# Altium PCB PCB1.PcbDoc (part 2 of 2)
Units mil, origin at the board's own origin, x right, y up, seen from the top; angles counter-clockwise.
Board outline 5905.51 x 3937.01 mil, 4 copper layers (Top Layer, Mid-Layer 1, Mid-Layer 2, Bottom Layer); 124 components, 80 nets, 385 pads, 303 vias.
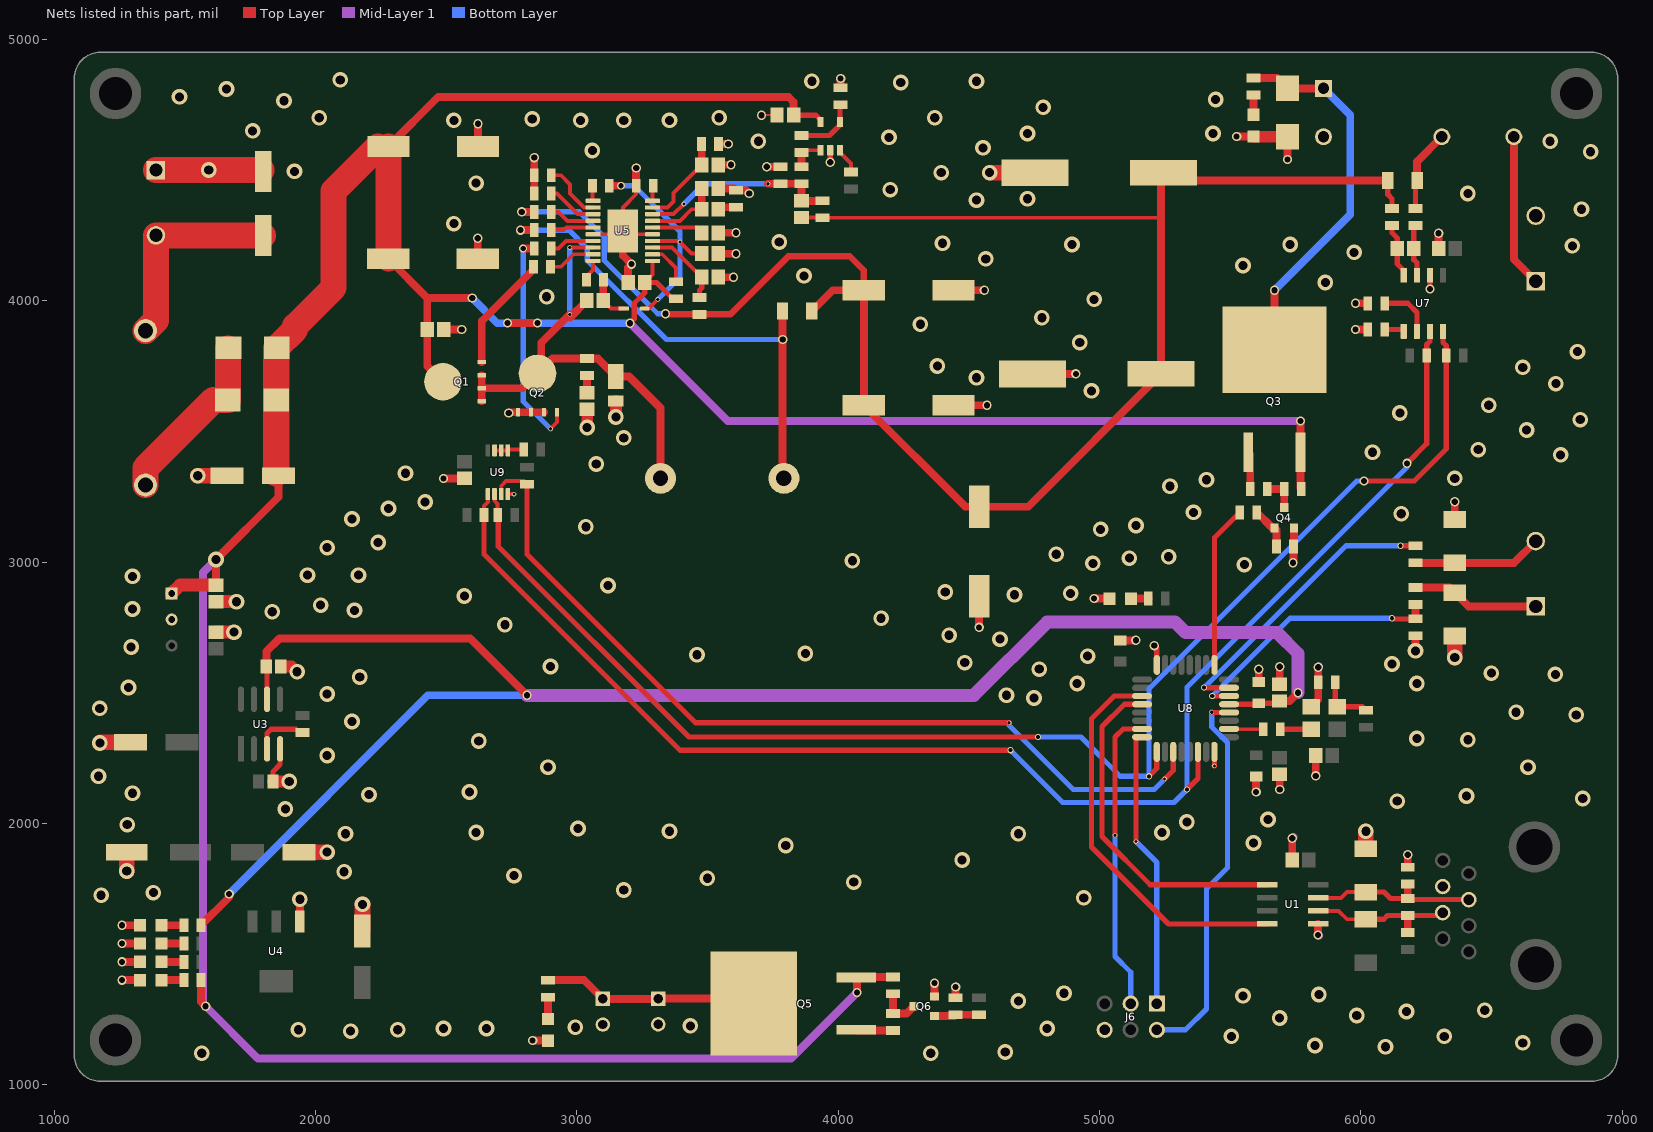
[diagram p4: the nets of this part, all layers, seen from the top]

## Via types
v1: diameter 60, hole 35, Top Layer to Bottom Layer, tented both sides, 199 vias
v2: diameter 35.43, hole 23.62, Top Layer to Bottom Layer, tented both sides, 77 vias
v3: diameter 17.72, hole 11.81, Top Layer to Bottom Layer, tented both sides, 15 vias
v4: diameter 23.62, hole 15.75, Top Layer to Bottom Layer, tented both sides, 10 vias
v5: diameter 30, hole 20, Top Layer to Bottom Layer, tented both sides, 2 vias

## Nets (pads, with @x,y where several pads share a name; then routed paths per layer and width w, separated by ;. In a path a pad name is that pad's centre, name@x,y a point inside that pad or via, vN(x,y) a via of type N, cw(c..) or ccw(c..) an arc to the next point about the centre after c; other vN are vias at no path point) (continued)
GND: C1.2 C2.1 C3.1 C4.1 C5.1 C6.2 C7.2 C8.1 C9.1 C10.1 C11.1 C12.1 C13.1 C14.1 C15.1 C16.1 C17.1 C18.1 C19.1 C20.1 C23.1 C30.1 C32.1 C33.2 C34.2 C35.2 C36.2 C37.2 C38.2 C39.2 D2.1 D6.2 D7.2 D8.2 D9.2 DS1.2 DS2.2 DS3.2 DS4.2 DS5.2 DS6.2 DS7.2 J1.1 J3.2 J4.2 J5.2 J6.6 pad.1@3541.72,4090 pad.1@3541.72,4180 pad.1@3541.72,4260 pad.1@3541.72,4430 pad.1@3541.72,4520 pad.2@1450,2780 pad.2@3970,4575.87 pad.2@5810,2446.61 pad.2@5857.8,4627.48 pad.6 Q2.1 Q2.2 Q2.3 Q4.2 Q6.2 R3.1 R11.1 R17.2 R19.2 R21.2 R23.2 R25.2 R27.2 R33.1 R34.1 R37.2 R42.1 R47.1 R50.1 U1.5 U3.4 U4.1 U5.5 U5.16 U5.21 U7.6 U8.16 U8.32 U9.4 | length 6469
  Top Layer w8: U5.21@3163.62,4254.41 U5.21@3176.42,4267.2 ; R25.2@3587.29,4430 3602.48,4430 R25.2@3610,4422.48 ; v2(3707.31,4710) C30.1@3766.55,4710
  Top Layer w15: U9.4@2736.77,3260 v3(2760,3260) ; U5.16@3062.83,4254.41 U5.21@3163.62,4254.41 ; U5.21@3176.42,4267.2 3176.42,4356.42 3227.52,4407.52 R11.1@3227.52,4440 ; U5.21@3189.21,4254.41 U5.5@3290,4254.41
  Top Layer w20: C8.1@1837.56,2160 1837.56,2197.56 1865,2225 U3.4@1865,2285 ; v2(3970,4530) pad.2@3970,4575.87 ; v2(5210,2680) 5219.76,2670.24 U8.16@5219.76,2606.34 ; v3(5440,2220) 5440.24,2220.24 U8.32@5440.24,2273.66 ; v2(6265,4045) U7.6@6265,4097.28
  Top Layer w30: v1(1175.15,2307.5) v1@1177.65,2310 ; v2(1260,1400) DS1.2@1328.66,1400 ; v2(1260,1470) DS3.2@1328.66,1470 ; v2(1260,1540) DS2.2@1328.66,1540 ; v2(1260,1610) DS7.2@1328.66,1610 ; C2.1@1794.09,4500 C2.1@1800,4494.09 ; U4.1@1940.55,1624.17 v1(1940.55,1709.45) ; v2(2490,3320) C39.2@2570,3320 ; C19.1@2491.72,3890 v2(2560,3890) ; C18.1@2621.26,4160 v2(2621.26,4238.74) ; C17.1@2622.52,4590 v2(2622.52,4677.48) ; v2(2740,3570) 2743.11,3573.11 Q2.1@2775,3573.11 Q2.2@2825,3573.11 Q2.3@2875,3573.11 ; v2(2831.34,1168.66) DS5.2@2890,1168.66 ; R17.2@2837.52,4410 R19.2@2837.52,4480 v2(2837.52,4547.52) ; U5.21@3176.42,4267.2 3176.42,4173.58 v2(3210,4140) 3196.55,4126.55 C20.1@3196.55,4070 ; R11.1@3227.52,4440 v2(3227.52,4507.52) ; pad.1@3541.72,4090 v2(3600,4090) ; pad.1@3541.72,4180 v2(3610,4180) ; pad.1@3541.72,4260 v2(3610,4260) ; pad.1@3541.72,4430 R25.2@3602.48,4430 ; pad.1@3541.72,4520 v2(3590,4520) ; R21.2@3542.48,4600 v2(3580,4600) ; R25.2@3610,4422.48 3647.52,4422.48 v2(3660,4410) ; v2(3727.52,4512.48) R23.2@3780,4512.48 ; R27.2@4010,4814.96 v2(4010,4850) ; Q6.2@4369.37,1337.4 v2(4369.37,1388.58) ; C12.1@4441.26,3600 v2(4570,3600) ; C14.1@4441.26,4040 v2(4560,4040) ; R47.1@4450,1332.48 v2(4450,1374.15) ; v2(4540,2750) C13.1@4540,2868.74 ; C15.1@4743.94,3720 v2(4910,3720) ; v2(4980,2860) DS6.2@5038.66,2860 ; C37.2@5080,2700.35 v2(5139.65,2700.35) ; v2(5525.33,4628.66) DS4.2@5590,4628.66 DS4.2@5591.18,4627.48 ; v2(5600,2120) C36.2@5600,2179.65 ; C34.2@5610,2540.35 v2(5610,2589.77) ; v2(5690,2130) C35.2@5690,2188.28 ; C33.2@5690,2531.72 v2(5690,2599.03) ; v2(5720,4540) D8.2@5720,4627.48 ; C1.2@5738.28,1860 v2(5738.28,1942.97) ; v2(5740.71,2997.28) 5740.71,2998.75 5742.48,3000.52 R42.1@5742.48,3060 5744.8,3062.32 Q4.2@5744.8,3130 ; pad.2@5810,2446.61 5837.52,2474.13 R50.1@5837.52,2540 v2(5837.52,2597.52) ; v2(5828.28,2181.72) C38.2@5828.28,2260 ; v2(5837.05,1572.95) U1.5@5837.05,1615 ; v2(5980,3890) R34.1@6027.52,3890 ; v2(5980,3990) R33.1@6027.52,3990 ; R3.1@6180,1832.48 v2(6180,1880) ; v1(6210,2660) R37.2@6210,2717.52 ; C32.1@6298.28,4200 v2(6298.28,4258.28) ; D7.2@6360,3163.07 v2(6360,3230.59)
  Top Layer w45: C8.1@1837.56,2160 v1(1900,2160) ; C9.1@1867.56,2600 1910,2600 v1(1930,2580) ; v1(3040,3515) C23.1@3040,3584.81 ; v1(3150,3555) D9.2@3150,3616.5 ; DS4.2@5591.18,4627.48 D8.2@5720,4627.48
  Top Layer w50: C7.2@1620,2731.72 v1(1688.28,2731.72) ; C6.2@1620,2848.28 v1(1697.84,2848.28)
  Top Layer w60: v1@1177.65,2310 C5.1@1293.15,2310 ; v1(1277.95,1817.95) C4.1@1277.95,1890 ; v1(1550,3330) C3.1@1661.57,3330 ; C10.1@1936.85,1890 v1(2045,1890) ; C11.1@2180,1588.43 v1(2180,1690) ; v1(4580,4490) C16.1@4753.94,4490 ; D2.1@6020,1903.07 v1(6020,1970) ; v1(6360,2635) D6.2@6360,2716.93
  Top Layer w100: J1.1@1390,4500 C2.1@1794.09,4500
  Mid-Layer 1 w30: v1(1688.28,2731.72) v1@1690,2730 ; v1(1697.84,2848.28) v1@1699.55,2849.99 ; v2@2620,4240 v2(2621.26,4238.74) ; v2@2620,4680 v2(2622.52,4677.48) ; v2@2830,1170 v2(2831.34,1168.66) ; v2(2837.52,4547.52) v2@2840,4550 ; v2@4369.3,1388.65 v2(4369.37,1388.58) ; v2(4450,1374.15) v2@4452.05,1376.2 ; v2(5738.28,1942.97) v2@5742.48,1947.17 ; v2(5828.28,2181.72) v2@5830,2180 ; v2(5837.05,1572.95) v2@5840,1570
  Bottom Layer w8: v2@3720,4520 v2(3727.52,4512.48) ; v2@6260,4040 v2(6265,4045)
  Bottom Layer w30: v2(3227.52,4507.52) v2@3230,4510 ; v2(5139.65,2700.35) v2@5140,2700 ; v2@5523.87,4627.2 v2(5525.33,4628.66) ; v2@5689.83,2599.2 v2(5690,2599.03) ; v2(5837.52,2597.52) v2@5840,2600 ; v2(6298.28,4258.28) v2@6300,4260
  other v1: 1565,1120 4355,1120 4640,1125 6095,1145 5825,1150 6620,1160 5505,1185 6320,1185 2135,1205 1935,1210 2315,1210 2490,1215 2655,1215 4800,1215 2995,1220 3435,1225 5690,1255 5985,1265 6175,1280 6475,1285 4690,1320 5550,1340 5840,1345 4865,1350 4940,1715 1180,1725 1380,1735 3180,1745 4060,1775 3500,1790 2760,1800 2110,1815 4475,1860 3800,1915 5590,1925 2115,1960 4690,1960 2615,1965 5240,1965 3355,1970 3005,1980 1280,1995 5335,2005 5645,2015 1885,2055 6140,2085 6850,2095 6405,2105 2205,2110 1300,2115 2590,2120 1170,2180 2890,2215 6640,2215 2045,2260 2625,2315 6410,2320 6215,2325 2140,2390 6825,2415 6595,2425 1175,2440 4750,2480 4645,2490 2045,2495 1285,2520 4915,2535 6215,2535 2170,2560 6745,2570 6500,2575 4770,2590 2900,2600 6120,2610 4485,2615 4955,2640 3460,2645 3875,2650 1295,2675 4620,2705 4425,2720 2725,2760 4165,2785 1835,2810 2150,2815 1300,2820 2020,2835 2570,2870 4675,2875 4890,2880 4410,2885 3120,2910 1300,2945 1970,2950 2165,2950 5555,2990 4975,2995 4055,3005 5115,3015 5265,3020 4835,3030 2045,3055 2240,3075 5005,3125 3035,3135 5140,3140 2140,3165 6155,3185 5360,3190 2280,3205 2420,3230 5270,3290 5410,3315 6360,3320 2345,3340 3075,3375 6765,3410 6045,3420 6450,3430 3180,3475 6635,3505 6840,3545 6150,3570 6490,3600 4970,3655 6746.98,3682.79 4530,3705 6620,3745 4380,3750 6830,3805 4925,3840 4315,3910 4780,3935 4980,4005 2885,4015 5865,4070 3870,4095 5550,4135 4565,4160 5975,4185 6810,4210 4895,4215 5730,4215 4400,4220 3775,4225 2530,4295 6845,4350 4530,4385 4725,4390 6410,4410 4200,4425 2615,4450 4395,4490 1920,4495 1592.05,4500 6880,4570 3060,4575 4555,4585 3695,4610 6725,4610 4195,4625 4725,4640 5435,4640 1760,4650 2530,4690 3015,4690 3180,4690 3355,4690 2830,4695 2015,4700 3545,4700 4370,4700 4785,4740 1880,4765 5445,4770 1480,4780 1660,4810 4240,4835 3900,4840 4530,4840 2095,4845
GND_Sensing: R35.1 U8.7 | length 1132.4
  Top Layer w8: v4(5400,2520) v4@5401.11,2518.89 ; U8.7@5496.18,2518.89 U8.7@5496.34,2518.74
  Top Layer w20: v4@5401.11,2518.89 U8.7@5496.18,2518.89 ; v4(6152.48,3062.48) R35.1@6210,3062.48
  Bottom Layer w20: v4(5400,2520) 5400.95,2519.05 5944.38,3062.48 v4(6152.48,3062.48)
HSE_Clock: R49.2 U8.2 | length 131.7
  Top Layer w8: U8.2@5496.34,2361.26 U8.2@5497.6,2360
  Top Layer w15: U8.2@5497.6,2360 R49.2@5627.52,2360
LM75_OS: R54.1 U8.27 U9.3 | length 3362.9
  Top Layer w8: R54.1@2797.52,3310 R54.1@2810,3297.52
  Top Layer w15: U9.3@2711.18,3260 2711.18,3291.18 2730,3310 R54.1@2797.52,3310
  Top Layer w20: R54.1@2810,3297.52 2810,3030 3455,2385 v3(4655,2385) ; v3(5250,2170) 5282.76,2202.76 U8.27@5282.76,2273.66
  Bottom Layer w20: v3(4655,2385) 4655,2375 4900,2130 5210,2130 v3(5250,2170)
Main_output: J3.1 pad.4@6586.14,4627.48 | length 587.2
  Top Layer w30: pad.4@6586.14,4627.48 6586.14,4158.86 J3.1@6670,4075
MP9928_OUT: C12.2 C13.2 C14.2 C15.2 C16.2 pad.1@3860,4318.28 R10.2 R14.1 R20.2 R28.1 R29.2 R57.1 | length 7081.3
  Top Layer w8: R20.2@3939.24,4318.28 R20.2@3940,4317.52 ; 5228.54,4317.52 5236.06,4310
  Top Layer w15: pad.1@3860,4318.28 R20.2@3939.24,4318.28 ; R20.2@3940,4317.52 5228.54,4317.52
  Top Layer w20: R28.1@6103.9,4460 6103.9,4406.1 6120,4390 R29.2@6120,4352.48
  Top Layer w25: v2(3340,3950) 3342.48,3947.52 3587.52,3947.52 3810,4170 4045,4170 4098.74,4116.26 C14.2@4098.74,4040
  Top Layer w30: v2(2790,4340) R14.1@2837.52,4340 ; R10.2@3900,3960 3980,4040 C14.2@4098.74,4040 C12.2@4098.74,3600 4487.48,3211.26 C13.2@4540,3211.26 4727.32,3211.26 C15.2@5236.06,3720 5236.06,4310 5236.06,4480 C16.2@5246.06,4490 5276.06,4460 R28.1@6103.9,4460
  Bottom Layer w20: v2(2790,4340) 3010,4340 3105,4245 3105,4155 3255,4005 3310,3950 v2(3340,3950)
Net*_1: D9.1 pad.1@3038.28,4000 pad.1@3320.63,3320 Q1.1 Q1.2 Q1.3 Q2.5 R12.1 U5.18 | length 1891.7
  Top Layer w15: v3(2973.23,4203.23) U5.18@3062.83,4203.23
  Top Layer w30: Q1.1@2636.89,3615 Q1.2@2636.89,3665 ; Q1.3@2636.89,3715 Q1.2@2636.89,3665 ; v3(2973.23,3947.77) 2864.16,3838.71 2864.16,3735.93 Q2.5@2850,3721.76 ; 2974.14,3935.86 pad.1@3038.28,4000 ; pad.1@3320.63,3320 3320.63,3589.37 3200,3710 D9.1@3150,3710 3080.98,3779.02 R12.1@3040,3779.02 2907.25,3779.02 Q2.5@2850,3721.76 ; Q1.2@2636.89,3665 2793.24,3665 Q2.5@2850,3721.76
  Bottom Layer w20: v3(2973.23,3947.77) v3(2973.23,4203.23)
Net*_2: pad.2@3793.07,3320 R10.1 R13.1 | length 1898.7
  Top Layer w8: v2(3788.7,3851.3) v2@3790,3850
  Top Layer w30: v2(2785,4270) R13.1@2837.52,4270 ; v2@3787.8,3850 3787.8,3325.28 pad.2@3793.07,3320 ; v2@3787.8,3851.3 R10.1@3787.8,3960
  Bottom Layer w20: v2(2785,4270) 2970,4270 3040,4200 3040,4155 3343.7,3851.3 v2(3788.7,3851.3)
NetC21_2: D5.1 pad.2@3101.72,4000 R9.1 | length 171.6
  Top Layer w8: R9.1@3101.72,4079.24 R9.1@3102.48,4080
  Top Layer w15: pad.2@3101.72,4000 3131.72,3970 D5.1@3180.62,3970
  Top Layer w30: pad.2@3101.72,4000 R9.1@3101.72,4079.24
NetC23_2: C23.2 R12.2 | length 65.8
  Top Layer w30: C23.2@3040,3648.26 R12.2@3040,3714.06
NetC24_2: pad.2@3478.28,4090 R57.2 U5.3 | length 334.4
  Top Layer w8: pad.2@3460,4090 pad.2@3478.28,4090
  Top Layer w15: U5.3@3290,4203.23 3365.05,4203.23 pad.2@3478.28,4090
  Top Layer w20: R57.2@3470,4012.48 3470,4040 3478.28,4048.28 pad.2@3478.28,4090
NetC25_2: pad.2@3478.28,4260 U5.6 | length 196.6
  Top Layer w8: pad.2@3458.28,4280 pad.2@3478.28,4260
  Top Layer w15: U5.6@3290,4280 pad.2@3458.28,4280
NetC26_2: pad.2@3478.28,4520 R21.1 U5.9 | length 354.8
  Top Layer w8: R21.1@3477.52,4600 R21.1@3478.28,4599.24
  Top Layer w15: U5.9@3290,4356.77 3346.77,4356.77 3370,4380 3370,4411.72 pad.2@3478.28,4520
  Top Layer w30: pad.2@3478.28,4520 R21.1@3478.28,4599.24
NetC27_2: pad.2@3860,4381.72 R20.1 R22.1 R23.1 U5.8 | length 764.3
  Top Layer w8: R20.1@3939.24,4381.72 R20.1@3940,4382.48
  Top Layer w15: U5.8@3290,4331.18 3371.18,4331.18 v3(3410,4370)
  Top Layer w30: v3(3732.48,4447.52) R23.1@3780,4447.52 R22.1@3860,4447.52 pad.2@3860,4381.72 R20.1@3939.24,4381.72
  Bottom Layer w20: v3(3410,4370) 3487.52,4447.52 v3(3732.48,4447.52)
NetC28_1: pad.1@3541.72,4350 R25.1 | length 71.4
  Top Layer w8: pad.1@3541.72,4350 pad.1@3549.24,4357.52
  Top Layer w30: pad.1@3549.24,4357.52 R25.1@3610,4357.52
NetC28_2: pad.2@3478.28,4350 pad.2@3478.28,4430 U5.7 | length 286.7
  Top Layer w15: U5.7@3290,4305.59 3395.59,4305.59 3440,4350 pad.2@3478.28,4350
  Top Layer w30: pad.2@3478.28,4350 pad.2@3478.28,4430
NetC31_1: C31.1 R29.1 U7.8 | length 208.9
  Top Layer w20: R29.1@6120,4287.52 6120,4260 6140,4240 C31.1@6140,4200 6140,4140 6165,4115 U7.8@6165,4097.28
NetC31_2: C31.2 R30.1 U7.7 | length 197.7
  Top Layer w20: R30.1@6210,4287.52 6203.45,4280.97 C31.2@6203.45,4200 6203.45,4156.55 6215,4145 U7.7@6215,4097.28
NetD1_1: D1.1 pad.4@6313.81,1658.16 R1.1 R2.2 U1.6 | length 565.4
  Top Layer w8: pad.4@6303.17,1647.52 pad.4@6313.81,1658.16
  Top Layer w15: U1.6@5837.05,1665 5915,1665 5946.93,1633.07 D1.1@6020,1633.07
  Top Layer w20: D1.1@6020,1633.07 6088.07,1633.07 6102.52,1647.52 R2.2@6180,1647.52 pad.4@6303.17,1647.52
  Top Layer w30: R1.1@6180,1582.48 6180,1633.07 R2.2@6180,1647.52
NetD2_2: D2.2 pad.5@6413.81,1708.16 R2.1 R3.2 U1.7 | length 652.8
  Top Layer w8: R2.1@6180,1712.48 R2.1@6184.32,1708.16
  Top Layer w15: U1.7@5837.05,1715 5925.2,1715 5947.13,1736.93 D2.2@6020,1736.93
  Top Layer w20: D2.2@6020,1736.93 6089.36,1736.93 6113.81,1712.48 R2.1@6180,1712.48 ; R2.1@6184.32,1708.16 pad.5@6413.81,1708.16
  Top Layer w30: R2.1@6180,1712.48 R3.2@6180,1767.52
NetD3_2: D3.2 D4.2 XF1.2 | length 699.3
  Top Layer w30: XF1.2@1350,3294.72 XF1.2@1350,3305.04 ; D3.2@1664.96,3817.48 D3.2@1667.48,3820
  Top Layer w100: XF1.2@1350,3294.72 1350,3360 1610,3620 D4.2@1664.96,3620 D3.2@1664.96,3817.48
NetD6_1: D6.1 J2.1 R36.1 | length 490
  Top Layer w30: R36.1@6210,2902.48 6340.59,2902.48 D6.1@6360,2883.07 6413.07,2830 J2.1@6670,2830
NetD7_1: D7.1 J2.2 R35.2 | length 494.7
  Top Layer w30: R35.2@6210,2997.52 6210.59,2996.93 D7.1@6360,2996.93 6586.93,2996.93 J2.2@6670,3080
NetD8_1: D8.1 pad.1@5857.8,4812.52 Q3.2 R40.2 | length 1447.7
  Top Layer w30: R40.2@5590,4852.48 5680.04,4852.48 D8.1@5720,4812.52 pad.1@5857.8,4812.52 ; Q3.2@5670,3811.57 v2(5670,4040)
  Bottom Layer w30: v2(5670,4040) 5960,4330 5960,4710.31 pad.1@5857.8,4812.52
NetDS1_1: DS1.1 R5.1 | length 86.2
  Top Layer w30: DS1.1@1411.34,1400 R5.1@1497.52,1400
NetDS2_1: DS2.1 R6.1 | length 86.2
  Top Layer w30: DS2.1@1411.34,1540 R6.1@1497.52,1540
NetDS3_1: DS3.1 R7.1 | length 86.2
  Top Layer w30: DS3.1@1411.34,1470 R7.1@1497.52,1470
NetDS4_1: DS4.1 R40.1 | length 76.2
  Top Layer w30: DS4.1@5590,4711.34 R40.1@5590,4787.52
NetDS5_1: DS5.1 R45.1 | length 83.7
  Top Layer w30: DS5.1@2890,1251.34 R45.1@2890,1335.04
NetDS6_1: DS6.1 R55.1 | length 66.2
  Top Layer w30: DS6.1@5121.34,2860 R55.1@5187.52,2860
NetDS7_1: DS7.1 R56.1 | length 86.2
  Top Layer w30: DS7.1@1411.34,1610 R56.1@1497.52,1610
NetJ4_1: J4.1 J5.1 Q5.2 R45.2 | length 826.2
  Top Layer w30: R45.2@2890,1400 3028.43,1400 J5.1@3100,1328.43 3311.02,1328.43 J4.1@3311.81,1329.21 3659.06,1329.21 Q5.2@3678.27,1310
NetQ1_4: Q1.4 R8.1 | length 447.1
  Top Layer w30: Q1.4@2636.89,3765 2636.89,3921.89 2835.04,4120.04 R8.1@2835.04,4130
NetQ2_4: Q2.4 R15.1 | length 849.5
  Top Layer w15: v3(2900,3510) 2925,3535 Q2.4@2925,3573.11
  Top Layer w30: v5(2795,4200) R15.1@2837.52,4200
  Bottom Layer w20: v5(2795,4200) 2795,3615 v3(2900,3510)
NetQ3_1: Q3.1 R39.2 | length 143
  Top Layer w30: Q3.1@5570,3419.84 5577.52,3412.32 R39.2@5577.52,3280
NetQ4_1: Q4.1 R41.2 R42.2 | length 165.5
  Top Layer w30: R41.2@5602.48,3190 5662.48,3130 Q4.1@5670,3130 5677.52,3122.48 R42.2@5677.52,3060
NetQ4_3: Q4.3 R38.1 R39.1 | length 136.3
  Top Layer w30: R39.1@5642.48,3280 R38.1@5707.52,3280 5707.52,3208.86 Q4.3@5707.4,3208.74
NetQ5_1: Q5.1 R44.2 | length 141
  Top Layer w30: Q5.1@4070,1210 4072.48,1207.52 R44.2@4210,1207.52
NetQ6_1: Q6.1 R46.2 R47.2 | length 172.7
  Top Layer w30: Q6.1@4369.37,1262.6 4445.08,1262.6 R47.2@4450,1267.52 R46.2@4540,1267.52
NetQ6_3: Q6.3 R43.1 R44.1 | length 167.1
  Top Layer w30: R43.1@4210,1347.52 R44.1@4210,1272.48 4263.11,1272.48 Q6.3@4290.63,1300
NetR4_1: R4.1 U3.3 | length 206.4
  Top Layer w20: U3.3@1815,2285 1815,2345 1830,2360 1925,2360 1937.48,2347.52 R4.1@1950,2347.52
NetR8_2: R8.2 U5.19 | length 182.6
  Top Layer w15: R8.2@2900,4130 2940,4130 2987.64,4177.64 U5.19@3062.83,4177.64
NetR9_2: R9.2 U5.20 | length 82.5
  Top Layer w8: R9.2@3037.52,4080 R9.2@3037.52,4092.52
  Top Layer w15: R9.2@3037.52,4092.52 3062.83,4117.83 U5.20@3062.83,4152.05
NetR11_2: R11.2 U5.10 | length 58.7
  Top Layer w8: R11.2@3290,4437.52 R11.2@3292.48,4440
  Top Layer w15: U5.10@3290,4382.36 R11.2@3290,4437.52
NetR13_2: R13.2 U5.15 | length 164.5
  Top Layer w15: R13.2@2902.48,4270 2950,4270 2960,4280 U5.15@3062.83,4280
NetR14_2: R14.2 U5.14 | length 174.6
  Top Layer w15: R14.2@2902.48,4340 2930,4340 2964.41,4305.59 U5.14@3062.83,4305.59
NetR15_2: R15.2 U5.17 | length 172.3
  Top Layer w15: R15.2@2902.48,4200 2930,4200 2958.82,4228.82 U5.17@3062.83,4228.82
NetR16_1: R16.1 U5.11 | length 58.8
  Top Layer w8: U5.11@3060,4385.2 U5.11@3062.83,4382.36
  Top Layer w15: U5.11@3060,4385.2 R16.1@3060,4440
NetR17_1: R17.1 U5.13 | length 193
  Top Layer w15: R17.1@2902.48,4410 2925,4410 3003.82,4331.18 U5.13@3062.83,4331.18
NetR18_1: R18.1 U5.2 | length 164.3
  Top Layer w15: U5.2@3290,4177.64 3327.36,4177.64 3380,4125 R18.1@3380,4072.48
NetR19_1: R19.1 U5.12 | length 231.9
  Top Layer w15: R19.1@2902.48,4480 2940,4480 2975,4445 2975,4410 3028.23,4356.77 U5.12@3062.83,4356.77
NetR22_2: pad.1@3932.6,4575.87 R22.2 R26.2 | length 131.1
  Top Layer w8: R26.2@3860,4567.52 R26.2@3868.35,4575.87
  Top Layer w15: R26.2@3868.35,4575.87 pad.1@3932.6,4575.87
  Top Layer w30: R22.2@3860,4512.48 R26.2@3860,4567.52
NetR24_2: pad.3@4007.4,4575.87 R24.2 | length 101
  Top Layer w8: pad.3@4007.4,4567.6 pad.3@4007.4,4575.87
  Top Layer w15: pad.3@4007.4,4567.6 4050,4525 R24.2@4050,4492.48
NetR26_1: pad.4@4007.4,4684.13 R26.1 R27.1 | length 242.6
  Top Layer w8: pad.4@4007.4,4672.4 pad.4@4007.4,4684.13 ; R27.1@4007.4,4747.4 R27.1@4010,4750
  Top Layer w20: R26.1@3860,4632.48 3967.48,4632.48 pad.4@4007.4,4672.4 ; pad.4@4007.4,4684.13 R27.1@4007.4,4747.4
NetR33_2: R33.2 U7.2 | length 209.3
  Top Layer w20: R33.2@6092.48,3990 6180,3990 6215,3955 U7.2@6215,3882.72
NetR34_2: R34.2 U7.1 | length 75.5
  Top Layer w20: R34.2@6092.48,3890 6157.72,3890 U7.1@6165,3882.72
NetR48_1: pad.1@5910,2446.61 R48.1 R50.2 | length 212.4
  Top Layer w20: R50.2@5902.48,2540 5902.48,2454.13 pad.1@5910,2446.61 6005.87,2446.61 R48.1@6020,2432.48
NetR49_1: pad.3@5810,2360 R49.1 | length 117.5
  Top Layer w20: R49.1@5692.48,2360 pad.3@5810,2360
NetR51_1: R51.1 U9.5 U9.6 U9.7 | length 113
  Top Layer w8: U9.5@2736.77,3427.32 U9.5@2739.45,3430
  Top Layer w15: U9.7@2685.59,3427.32 U9.6@2711.18,3427.32 U9.5@2736.77,3427.32 ; U9.5@2739.45,3430 R51.1@2797.52,3430
NRST: J6.2 U8.4 | length 1482.8
  Top Layer w8: v3(5430,2425) v3@5430.75,2424.25
  Top Layer w20: v3@5430.75,2424.25 U8.4@5496.34,2424.25
  Bottom Layer w20: J6.2@5220,1210 5330,1210 5410,1290 5410,1750 5490,1830 5490,2309.25 5430,2369.25 v3(5430,2425)
Out_voltage: pad.3@6310.55,4627.48 R28.2 R30.2 | length 316.6
  Top Layer w8: R28.2@6210,4453.9 R28.2@6216.1,4460
  Top Layer w20: R30.2@6210,4352.48 R28.2@6210,4453.9
  Top Layer w30: R28.2@6216.1,4460 6216.1,4533.03 pad.3@6310.55,4627.48
Output_ON: R41.1 U8.9 | length 624
  Top Layer w20: U8.9@5440.24,2606.34 5440.24,3092.72 R41.1@5537.52,3190
Rx1: U1.1 U8.20 | length 1318.8
  Top Layer w20: U8.20@5163.66,2455.75 5095.75,2455.75 5010,2370 5010,1950 5195,1765 U1.1@5642.95,1765
SCL: R31.1 R52.1 U7.4 U8.25 U9.2 | length 5474.4
  Top Layer w15: U9.2@2685.59,3260 2685.59,3234.41 2697.52,3222.48 R52.1@2697.52,3180 R52.1@2700,3177.52
  Top Layer w20: R52.1@2700,3177.52 2700,3060 3430,2330 v4(4765,2330) ; v4(5190,2180) 5219.76,2209.76 U8.25@5219.76,2273.66 ; v2(6012.72,3310) 6205,3310 6327.52,3432.52 R31.1@6327.52,3790 6327.52,3827.48 6315,3840 U7.4@6315,3882.72
  Bottom Layer w20: v4(4765,2330) 4930,2330 5080,2180 v4(5190,2180) 5190,2515 5706.72,3031.72 5985,3310 v2(6012.72,3310)
SDA: R32.1 R53.1 U7.3 U8.30 U9.1 | length 5639.7
  Top Layer w15: R53.1@2644.96,3180 2644.96,3214.96 2660,3230 U9.1@2660,3260
  Top Layer w20: R53.1@2644.96,3180 2644.96,3030.04 3395,2280 v4(4660,2280) ; v4(5335.72,2130) 5377.24,2171.53 U8.30@5377.24,2273.66 ; v2(6177.52,3377.52) 6252.48,3452.48 R32.1@6252.48,3790 6252.48,3832.48 6265,3845 U7.3@6265,3882.72
  Bottom Layer w20: v4(4660,2280) 4860,2080 5285.72,2080 v4(5335.72,2130) 5335.72,2520.72 6177.52,3362.52 v2(6177.52,3377.52)
SWCLK: J6.1 U8.24 | length 1073.8
  Top Layer w8: U8.24@5140,2325 5144.76,2329.76 U8.24@5163.66,2329.76
  Top Layer w20: v3(5140,1930) U8.24@5140,2325
  Bottom Layer w20: v3(5140,1930) 5220,1850 J6.1@5220,1310
SWDIO: J6.3 U8.23 | length 1161.5
  Top Layer w20: v3(5060,1954.33) 5060,2330 5091.26,2361.26 U8.23@5163.66,2361.26
  Bottom Layer w20: v3(5060,1954.33) 5060,1490 5120,1430 J6.3@5120,1310
Tx1: U1.4 U8.19 | length 1514.9
  Top Layer w20: U8.19@5163.66,2487.24 5057.24,2487.24 4970,2400 4970,1910 5265,1615 U1.4@5642.95,1615
Vcc1: D5.2 pad.2@3478.28,4180 R16.2 U5.4 | length 916.3
  Top Layer w8: v3@3391.18,4228.82 v3(3395,4225) v3@3395,4220
  Top Layer w15: D5.2@3259.38,3970 3275,3970 v3(3310,4005) ; U5.4@3290,4228.82 v3@3391.18,4228.82 ; v3(3395,4225) 3440,4180 pad.2@3478.28,4180
  Top Layer w30: R16.2@3124.96,4440 v5(3170,4440)
  Bottom Layer w20: v5(3170,4440) 3220,4440 3395,4265 v3(3395,4225) 3395,4090 v3(3310,4005)
VDDA: C9.2 C33.1 C34.1 R56.2 U3.6 U8.5 | length 6471.3
  Top Layer w8: C9.2@1812.44,2600 C9.2@1815,2597.44 ; C34.1@5606.1,2455.75 C34.1@5610,2459.65 C34.1@5618.63,2468.28
  Top Layer w20: U3.6@1815,2475 C9.2@1815,2597.44 ; U8.5@5496.34,2455.75 C34.1@5606.1,2455.75 ; C34.1@5610,2459.65 5681.37,2459.65 C33.1@5690,2468.28
  Top Layer w30: R56.2@1562.48,1610 1670,1717.52 v2(1670,1730) ; C9.2@1812.44,2600 1812.44,2657.44 1862.73,2707.73 2592.27,2707.73 v2(2810,2490) ; C33.1@5690,2468.28 5728.28,2468.28 v2(5760,2500)
  Mid-Layer 1 w50: v2(2810,2490) 4520,2490 4800,2770 5290,2770 5330,2730 5680,2730 5760,2650 v2(5760,2500)
  Bottom Layer w30: v2(1670,1730) 2430,2490 v2(2810,2490)
Vin24V: C2.2 J1.2 XF1.1 | length 791.3
  Top Layer w100: XF1.1@1350,3885.28 1390,3925.28 J1.2@1390,4250 C2.2@1800,4250
VIN_MP9928: C3.2 C6.1 C17.2 C18.2 C19.2 C20.2 C30.2 D3.1 D4.1 pad.1@1450,2880 pad.5@3932.6,4684.13 Q1.5 Q3.3 Q5.3 R5.2 R18.2 R38.2 R43.2 U5.1 | length 13896
  Top Layer w8: R18.2@3367.48,4007.52 R18.2@3380,4007.52 ; pad.5@3932.6,4684.13 pad.5@3932.6,4692.4
  Top Layer w15: C20.2@3260,4070 3290,4100 U5.1@3290,4152.05
  Top Layer w20: v2(3203.93,3913.93) 3220,3930 3220,3990 3260,4030 3260,4060 C20.2@3260,4070 3305,4070 R18.2@3367.48,4007.52 ; C30.2@3830,4710 3915,4710 pad.5@3932.6,4692.4
  Top Layer w30: R5.2@1562.48,1400 1562.48,1317.52 v2(1580,1300) ; C6.1@1620,2911.72 v1(1620,3010) 1858.43,3248.43 C3.2@1858.43,3330 C3.2@1850,3338.43 ; D3.1@1850,3817.48 D3.1@1852.52,3820 ; C17.2@2240,4590 C17.2@2280,4590 2470,4780 3810,4780 3830,4760 C30.2@3830,4710 ; C18.2@2280,4161.26 C18.2@2278.74,4160 2428.28,4010.46 C19.2@2428.28,3890 2428.28,3749.96 Q1.5@2488.24,3690 ; 2428.28,4010 v2(2600,4010) ; v2(2735,3915) 2847.87,3915 2848.93,3913.93 v2(2850,3915) ; v2(4072.48,1352.48) 4072.48,1412.48 R43.2@4210,1412.48 ; v2(5770,3540) Q3.3@5770,3419.84 5770,3282.48 R38.2@5772.48,3280
  Top Layer w50: pad.1@1450,2880 1481.72,2911.72 C6.1@1620,2911.72
  Top Layer w100: C3.2@1850,3338.43 D4.1@1850,3620 D3.1@1850,3817.48 ; D3.1@1852.52,3820 1922.52,3890 1922.52,3902.52 2070,4050 2070,4420 C17.2@2240,4590 ; C18.2@2280,4161.26 C17.2@2280,4590
  Mid-Layer 1 w30: v1(1620,3010) 1570,2960 1570,1310 v2(1580,1300) 1780,1100 3820,1100 v2(4072.48,1352.48) ; v2(3203.93,3913.93) 3577.87,3540 v2(5770,3540)
  Bottom Layer w30: v2(2600,4010) 2696.07,3913.93 2733.93,3913.93 v2(2735,3915) ; v2(2850,3915) 2851.07,3913.93 2963.74,3913.93 ; 2963.76,3913.91 2982.7,3913.91 ; 2982.72,3913.93 v2(3203.93,3913.93)
Vout_Sensing: R36.2 R37.1 U8.6 | length 1021.6
  Top Layer w20: v4(5432.06,2487.24) U8.6@5496.34,2487.24 ; v4(6120,2785) 6122.52,2782.48 R37.1@6210,2782.48
  Top Layer w30: R37.1@6210,2782.48 R36.2@6210,2837.52
  Bottom Layer w20: v4(5432.06,2487.24) 5729.82,2785 v4(6120,2785)
pads on no net: U3.1 U3.5 U3.7 U3.8 U8.3 U8.8 U8.11 U8.12 U8.13 U8.21 U8.22 U8.26 U8.28 U8.29

## Polygon pours and split planes (outlines as drawn)
GND on Top Layer "GND_L01_P018" (solid, remove dead copper, pour order 18): 1133.3,4901.65 6920.7,4901.65 6920.7,1063.07 1133.3,1063.07
+5 on Top Layer "+5_L01_P006" (solid, pour order 6): 1650,2690 1490,2690 1470,2710 1425,2710 1415,2700 1415,1875 1450,1840 1695,1840 1740,1795 1740,1610 1760,1590 1780,1590 1780,1750 1815,1785 1815,2030 1795,2050 1795,2180 1705,2180 1655,2230
Main_output on Top Layer "MAIN_OUTPUT_L01_P012" (solid, pour order 12): 6610,4545 6640,4575 6640,4665 6615,4690 6535,4690 6485,4640 6485,4115 6600,4000 6720,4000 6740,4020 6740,4110 6610,4240 6610,4245
Out_voltage on Top Layer "OUT_VOLTAGE_L01_P011" (solid, pour order 11): 6190,4425 6245,4425 6355,4535 6355,4660 6330,4685 6260,4685 6190,4615
Net*_2 on Top Layer "NET*_2_L01_P009" (solid, pour order 9): 3815,3995 3740,3995 3665,3920 3665,3280 3720,3225 3855,3225 3895,3265 3895,3695 3815,3775
Net*_1 on Top Layer "NET*_1_L01_P008" (solid, pour order 8): 2615,3730 2615,3600 2700,3600 2740.04,3640.04 2954.96,3640.04 2955,3640 2955,3735 2980,3760 3080,3760 3120,3720 3120,3665 3190,3665 3260,3595 3260,3285 3290,3255 3375,3255 3425,3305 3425,3685 3260,3850 3125,3850 3125,3855 3060,3920 3060,4025 2995,4025 2900,3930 2900,3905 2815,3820 2745,3820 2690,3765 2690,3745 2675,3730
MP9928_OUT on Top Layer "MP9928_OUT_L01_P010" (solid, pour order 10): 3875,3995 3875,3925 4015,3785 4015,3420 4305,3130 4890,3130 5365,3605 5365,4130 5985,4390 6090,4390 6130,4430 6130,4495 6120,4505 5460,4505 5405,4560 5100,4560 5070,4510 5070,4490 5070,3640 4855,3425 4345,3425 4210,3560 4210,4060 4180,4090 3965,4090
+3.3 on Top Layer "+3.3_L01_P007" (solid, pour order 7): 1870,1665 1830,1665 1830,1540 1775,1485 1775,1330 1810,1295 2270,1295 2295,1320 2295,1435 2270,1460 1885,1460 1870,1475
VIN_MP9928 on Top Layer "VIN_MP9928_L01_P005" (solid, pour order 5): 1800,3371.5 1800,3270 1590,3060 1590,2890 1760,2890 2130,3260
Vin24V on Top Layer "VIN24V_L01_P003" (solid, pour order 3): 1850,4330 1850,4160 1670,3980 1520,3980 1360,3820 1320,3820 1260,3880 1260,4270 1310,4320
NetD3_2 on Top Layer "NETD3_2_L01_P002" (solid, pour order 2): 1720,3870 1600,3870 1280,3550 1280,3270 1310,3240 1390,3240 1460,3310 1460,3370 1650,3560 1720,3560
VIN_MP9928 on Top Layer "VIN_MP9928_L01_P001" (solid, pour order 1): 2570,3800 2450,3800 2450,4550 2350,4650 2190,4650 2010,4470 2010,4080 1800,3870 1800,3290 1830,3260 2130,3260 2440,3570 2540,3570 2570,3600
GND on Mid-Layer 1 "GND_L02_P017" (solid, remove dead copper, pour order 17): 1131.64,4900.38 6919.04,4900.38 6919.04,1061.8 1131.64,1061.8
+3.3 on Mid-Layer 1 "+3.3_L02_P016" (solid, pour order 16): 2220,1465 2220,1290 2805,1290 2960,1445 5765,1445 5790,1470 5790,1685 5950,1935 5950,2025 6045,2120 6045,3200 5970,3275 5970,3530 6170,3730 6495,3730 6525,3760 6525,3830 6485,3870 6125,3870 5875,3620 5875,3600 5875,2125 5865,2115 5845,2115 5815,2115 5790,2140 5790,2320 5470,2640 5115,2640 5105,2630 5105,2595 5120,2580 5400,2580 5725,2255 5725,2035 5780,1980 5780,1920 5775,1920 5480,1625 2615,1625 2400,1840 2400,2860 2615,3075 2795,3075 2990,3270 2990,3430 2955,3465 2500,3465 2475,3440 2475,3405 2520,3375 2810,3375 2825,3360 2825,3260 2745,3180 2495,3180 2275,2960 2275,1685
VIN_MP9928 on Mid-Layer 1 "VIN_MP9928_L02_P014" (solid, pour order 14): 1622.5,3047.5 1640,3030 1660,3010 1605,2955 1605,1375 1845,1135 3780,1135 4035,1390 4100,1390 4145,1345 3860,1060 1750,1060 1480,1330 1480,2545 1535,2600 1535,2980
VIN_MP9928 on Mid-Layer 1 "VIN_MP9928_L02_P013" (solid, pour order 13): 3207,3940 3205,3940 3175,3940 3165,3930 3165,3790 3510,3445 5795,3445 5815,3485 5815,3495 5815,3525 5815,3570 3590,3570 3440,3720 3335,3825
GND on Mid-Layer 2 "GND_L03_P000" (solid, pour order 0): 1130.97,4899.43 6918.37,4899.43 6918.37,1060.84 1130.97,1060.84

## Keep-outs
Keep-Out Layer:
  lines w10: 3281.26,2768.82 3832.44,2768.82 3832.44,3871.18 3281.26,3871.18 3281.26,2768.82

## Silkscreen, mask and mechanical layers (free items; w line width, h text height)
Top Overlay:
  circle w10: c6215,1400 r14.14
  circle w11.81: c1200,3035 r3.94
  circle w7.87: c5785.94,4812.52 r3.94
  circle w9.84: c5965,2510 r4.92
  circle w9.84: c3910,4540 r4.92
  lines w5: 5816.46,4582.4 5816.46,4582.2 6623.54,4582.2 6623.54,4582.4 ; 5816.46,4672.56 5816.46,4767.44 ; 5816.46,4857.6 5816.46,4857.8 6623.54,4857.8 6623.54,4672.56 ; 1180,2545 1533.15,2545 1533.15,3015 1180,3015 1180,2545
  lines w7.87: 5761.77,2336.38 5757.64,2336.38 5757.64,2470.24 5761.77,2470.24 ; 5958.23,2336.38 5962.36,2336.38 5962.36,2470.24 5958.23,2470.24 ; 3908.98,4610.31 4031.02,4610.31 4031.02,4649.69 3908.98,4649.69 3908.98,4610.31
  lines w10: 3281.26,2886.93 3832.44,2768.82 ; 3281.26,3005.04 3832.44,2886.93 ; 3281.26,3123.15 3832.44,2985.35 ; 3281.26,3438.11 3281.26,3871.18 3832.44,3871.18 3832.44,3414.49 3281.26,3556.22 3281.26,3634.96 ; 3281.26,3674.33 3832.44,3516.85 ; 3281.26,3792.44 3832.44,3634.96 ; 3399.37,3871.18 3832.44,3753.07 ; 3458.43,3322.95 3478.11,3322.95 ; 3478.77,3323.04 cw(c3498.46,3323.04) 3518.14,3323.04 cw(c3537.83,3323.04) 3557.51,3323.04 ; 3558.82,3322.95 cw(c3578.5,3322.95) 3598.19,3322.95 cw(c3617.87,3322.95) 3637.56,3322.95 3657.24,3322.95 ; 3832.44,3083.78 3281.26,3225.51 3281.26,2768.82 3832.44,2768.82 ; 3832.44,3201.89 3832.44,2768.82 ; 6565,1385 6255,1385 6255,1985 6565,1985 ; 6765,1385 6980,1385 6980,1985 6765,1985
  text "GND" at 1560,4690.87 h80
  text "GND" at 6680,4480.87 h80
  text "+24V" at 1660,4065 h80
  text "Vout" at 6680.07,3865.8 h80
  text "GND sense" at 6545,3250.87 h80
  text "5A FUSE" at 1655,3110 h65
  text "Vout sense" at 6520.07,2620.8 h80
  text "DC/DC Converter Tester" at 2935,2406.79 h150
  text "DC/DC Converter" at 3045,2115 h250
  text "v1.0" at 4395.08,2000.58 h100
  text "Designed by:" at 4350,1662.58 h100
  text "Krzysztof Sikora" at 4535,1546.11 h120
  text "BOOT0" at 5029.57,1390 h40 r90
  text "SWDIO" at 5124.57,1390 h40 r90
  text "SWCLK" at 5224.57,1390 h40 r90
  text "Vdda" at 1400.04,1295.5 h50
  text "+5" at 1405,1245.54 h50
  text "+3.3" at 1405,1195.54 h50
  text "+24" at 1405,1145 h50
  text "GND" at 3250,1070.54 h50
  text "+3.3" at 5129.57,1070 h40 r90
  text "GND" at 3040,1065.54 h50
  text "GND" at 5024.57,1060 h40 r90
  text "NRST" at 5234.57,1045 h40 r90
Mechanical 1:
  the board outline again, w47.24
Top Assembly:
  lines w7.87: 3002.75,3961.49 3002.75,4038.51 3137.25,4038.51 3137.25,3961.49 3002.75,3961.49 ; 3442.75,4051.49 3442.75,4128.51 3577.25,4128.51 3577.25,4051.49 3442.75,4051.49 ; 3442.75,4141.49 3442.75,4218.51 3577.25,4218.51 3577.25,4141.49 3442.75,4141.49 ; 3442.75,4221.49 3442.75,4298.51 3577.25,4298.51 3577.25,4221.49 3442.75,4221.49 ; 3442.75,4311.49 3442.75,4388.51 3577.25,4388.51 3577.25,4311.49 3442.75,4311.49 ; 3442.75,4391.49 3442.75,4468.51 3577.25,4468.51 3577.25,4391.49 3442.75,4391.49 ; 3442.75,4481.49 3442.75,4558.51 3577.25,4558.51 3577.25,4481.49 3442.75,4481.49 ; 3821.49,4282.75 3898.51,4282.75 3898.51,4417.25 3821.49,4417.25 3821.49,4282.75 ; 5753.7,2326.54 5753.7,2480.08 5966.3,2480.08 5966.3,2326.54 5753.7,2326.54
  text ".Designator" at 3510,4512.51 h40 r180
  text ".Designator" at 3510,4422.51 h40 r180
  text ".Designator" at 3852.51,4350 h40 r90
  text ".Designator" at 3510,4342.51 h40 r180
  text ".Designator" at 3510,4252.51 h40 r180
  text ".Designator" at 3510,4172.51 h40 r180
  text ".Designator" at 3510,4082.51 h40 r180
  text ".Designator" at 3070,4007.49 h40
  text ".Designator" at 5860,2395.82 h40 r180
Top 3D Body:
  circle w7.87: c5785.94,4812.52 r3.94
  lines w3.94: 3909.96,4595.55 3909.96,4664.45 4030.04,4664.45 4030.04,4595.55 3909.96,4595.55
  lines w5: 1180,2545 1533.15,2545 1533.15,3015 1180,3015 1180,2545 ; 5816.46,4582.2 5816.46,4857.8 6623.54,4857.8 6623.54,4582.2 5816.46,4582.2
  lines w7.87: 3030.43,3975.39 3030.43,4024.61 3109.57,4024.61 3109.57,3975.39 3030.43,3975.39 ; 3470.43,4065.39 3470.43,4114.61 3549.57,4114.61 3549.57,4065.39 3470.43,4065.39 ; 3470.43,4155.39 3470.43,4204.61 3549.57,4204.61 3549.57,4155.39 3470.43,4155.39 ; 3470.43,4235.39 3470.43,4284.61 3549.57,4284.61 3549.57,4235.39 3470.43,4235.39 ; 3470.43,4325.39 3470.43,4374.61 3549.57,4374.61 3549.57,4325.39 3470.43,4325.39 ; 3470.43,4405.39 3470.43,4454.61 3549.57,4454.61 3549.57,4405.39 3470.43,4405.39 ; 3470.43,4495.39 3470.43,4544.61 3549.57,4544.61 3549.57,4495.39 3470.43,4495.39 ; 3835.39,4310.43 3884.61,4310.43 3884.61,4389.57 3835.39,4389.57 3835.39,4310.43 ; 5757.64,2336.38 5757.64,2470.24 5962.36,2470.24 5962.36,2336.38 5757.64,2336.38
Top Courtyard:
  lines w1.97: 1175,2540 1542.99,2540 1542.99,3020 1175,3020 1175,2540 ; 3899.13,4547.32 3899.13,4712.68 4040.87,4712.68 4040.87,4547.32 3899.13,4547.32 ; 5806.61,4572.36 5806.61,4867.64 6633.39,4867.64 6633.39,4572.36 5806.61,4572.36
  lines w3.94: 3950.31,4630 3989.68,4630 ; 3970,4610.31 3970,4649.69
  lines w7.87: 3002.75,3961.49 3002.75,4038.51 3137.25,4038.51 3137.25,3961.49 3002.75,3961.49 ; 3442.75,4051.49 3442.75,4128.51 3577.25,4128.51 3577.25,4051.49 3442.75,4051.49 ; 3442.75,4141.49 3442.75,4218.51 3577.25,4218.51 3577.25,4141.49 3442.75,4141.49 ; 3442.75,4221.49 3442.75,4298.51 3577.25,4298.51 3577.25,4221.49 3442.75,4221.49 ; 3442.75,4311.49 3442.75,4388.51 3577.25,4388.51 3577.25,4311.49 3442.75,4311.49 ; 3442.75,4391.49 3442.75,4468.51 3577.25,4468.51 3577.25,4391.49 3442.75,4391.49 ; 3442.75,4481.49 3442.75,4558.51 3577.25,4558.51 3577.25,4481.49 3442.75,4481.49 ; 3821.49,4282.75 3898.51,4282.75 3898.51,4417.25 3821.49,4417.25 3821.49,4282.75 ; 5753.7,2326.54 5753.7,2480.08 5966.3,2480.08 5966.3,2326.54 5753.7,2326.54
Top Component Center:
  lines w3.94: 3050.32,4000 3089.68,4000 ; 3070,3980.32 3070,4019.68 ; 3490.32,4090 3529.68,4090 ; 3490.32,4180 3529.68,4180 ; 3490.32,4260 3529.68,4260 ; 3490.32,4350 3529.68,4350 ; 3490.32,4430 3529.68,4430 ; 3490.32,4520 3529.68,4520 ; 3510,4070.32 3510,4109.69 ; 3510,4160.31 3510,4199.69 ; 3510,4240.31 3510,4279.69 ; 3510,4330.31 3510,4369.69 ; 3510,4410.31 3510,4449.69 ; 3510,4500.31 3510,4539.69 ; 3840.32,4350 3879.68,4350 ; 3860,4330.31 3860,4369.69 ; 5840.31,2403.31 5879.69,2403.31 ; 5860,2383.62 5860,2422.99